# Altium PCB BB.PcbDoc (part 4 of 5) (continued)
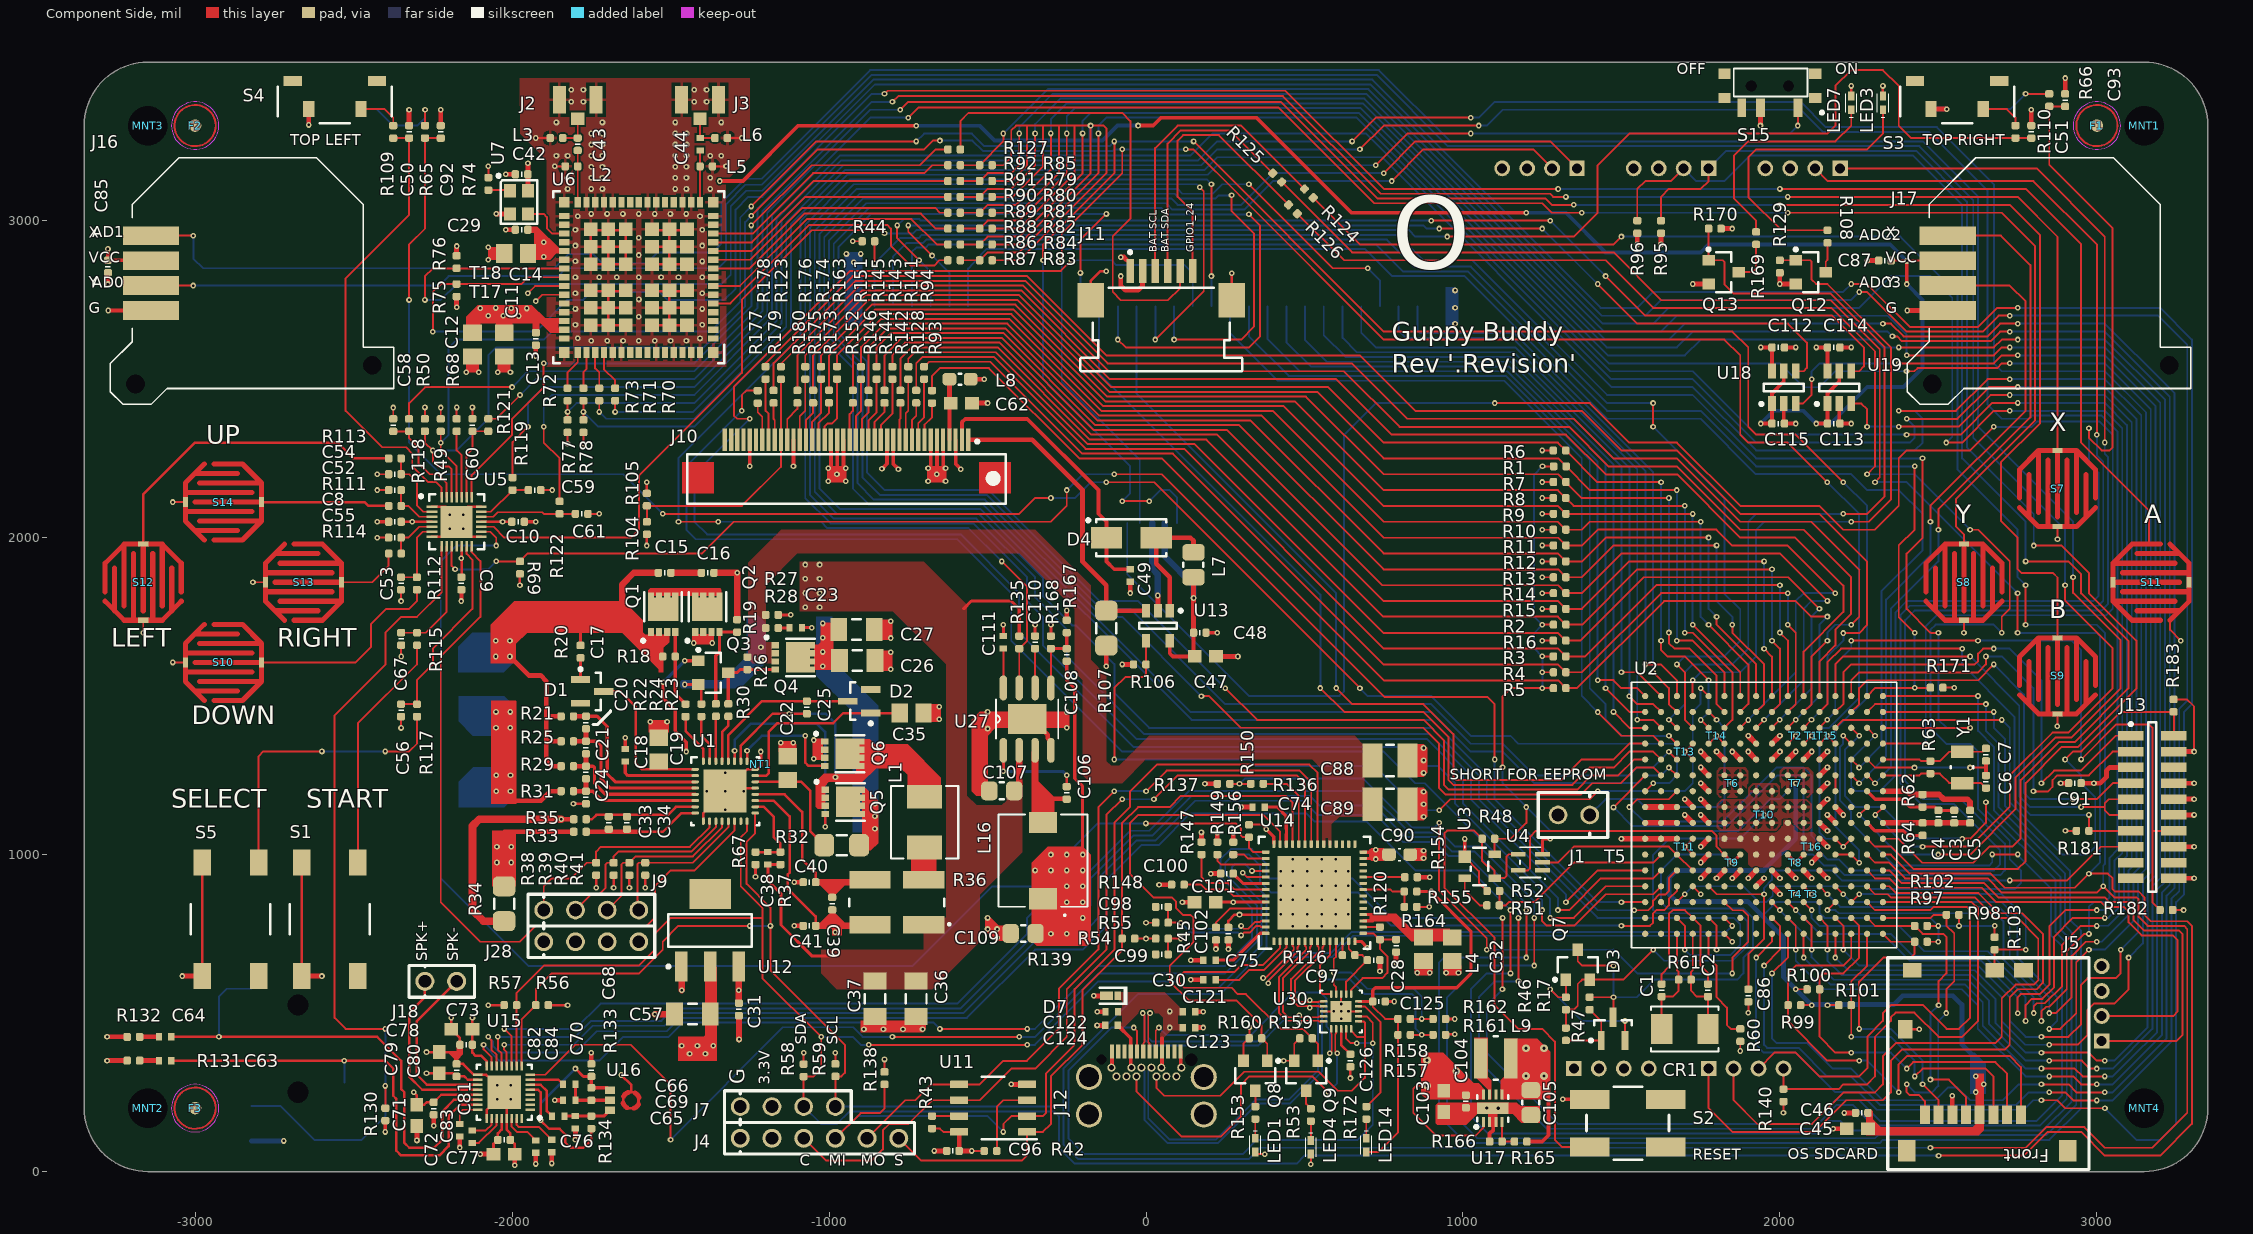
[diagram p0: Component Side view]
## Nets (pads, with @x,y where several pads share a name; then routed paths per layer and width w, separated by ;. In a path a pad name is that pad's centre, name@x,y a point inside that pad or via, vN(x,y) a via of type N, cw(c..) or ccw(c..) an arc to the next point about the centre after c; other vN are vias at no path point) (continued)
  Component Side w8: U15.5@-1942.5,258.04 -1917.78,258.04 -1910,250.26 v1(-1910,161.54) -1883.46,135 -1850.24,135 -1832.28,117.05 -1832.28,92.28 -1815,75 -1775,75 -1750,100 R134.1@-1750,135.63
  Component Side w10: v1(-1800,325) -1775,300 C68.2@-1750,300 R133.1@-1750,264.21 -1699.96,264.21 U16.1@-1691.57,255.83
  Solder Side w8: v1(-1910,161.54) -1910,215 v1(-1800,325)
NetC74_2: C74.2 U14.40 | length 168.1
  Component Side w10: C74.2@375,1150 414.22,1150 442.68,1121.54 442.68,1081.12 442.99,1080.8 442.99,1064.24 442.68,1063.92 U14.40@442.68,1033.15
NetC75_2: C75.2 U14.56 | length 192.8
  Component Side w10: C75.2@220,667.01 275.35,667.01 360,751.65 U14.56@377.72,751.65
NetC81_1: C81.1 U15.27 | length 120.6
  Component Side w6: C81.1@-2125,90.32 -2104.68,90.32 -2048.8,146.2 U15.27@-2048.8,167.48
NetC81_2: C81.2 U15.26 | length 87.3
  Component Side w6: C81.2@-2125,129.68 -2083.21,129.68 -2064.55,148.35 U15.26@-2064.55,167.48
NetC82_2: C82.2 U15.30 | length 120.2
  Component Side w6: U15.30@-2001.56,167.48 -2001.56,141.87 -1984.69,125 -1951.69,125 C82.2@-1925,98.31
NetC83_2: C83.2 U15.24 | length 96.3
  Component Side w6: C83.2@-2165,150 -2165,185 -2154.96,195.04 U15.24@-2107.85,195.04
NetC84_2: C84.2 U15.31 | length 150.6
  Component Side w6: U15.31@-1985.81,167.48 -1985.81,147.34 -1978.46,140 -1915,140 C84.2@-1875,100
NetC100_2: C100.2 U14.48 | length 115.5
  Component Side w10: C100.2@275,940 305.87,909.13 U14.48@377.72,909.13
NetC106_1: C106.1 L16.2 U27.3
NetC106_2: C106.2 U27.1 | length 307.3
  Component Side w8: C106.2@-250.08,1214.37 v1(-250.08,1250)
  Component Side w10: v1(-450,1262.5) U27.1@-450,1329.07
  Solder Side w10: v1(-450,1262.5) -262.58,1262.5 v1(-250.08,1250)
NetC108_1: C108.1 R167.2 R168.1 U27.5 | length 224.1
  Component Side w6: U27.5@-300,1525.93 R168.1@-300,1650
  Component Side w10: R168.1@-300,1650 C108.1@-250,1650 R167.2@-250,1700
NetC110_2: C110.2 U27.6 | length 124.1
  Component Side w6: U27.6@-350,1525.93 C110.2@-350,1650
NetC111_2: C111.2 U27.8 | length 124.1
  Component Side w6: U27.8@-450,1525.93 C111.2@-450,1650
NetC126_2: C126.2 U30.3 | length 92.2
  Component Side w8: U30.3@615.32,449.88 615.32,399.68 C126.2@645,370
NetD1_1: D1.1 R20.2 | length 68.2
  Component Side w10: D1.1@-1784.09,1552.4 R20.2@-1784.09,1620.63
NetD3_1: D3.1 R17.2 R47.1 | length 224.1
  Component Side w6: R47.1@1324.66,413.46 D3.1@1436.4,413.46 1436.4,473.89 R17.2@1399.66,510.63
NetD3_2: D3.2 Q7.1 R46.1 | length 454.7
  Component Side w6: v1(1275,575) 1300,550 R46.1@1324.66,550 1324.66,605.12 Q7.1@1324.86,605.32 ; D3.2@1511.2,413.46 v1(1511.2,475.2)
  Solder Side w6: v1(1275,575) 1374.8,475.2 v1(1511.2,475.2)
NetD4_1: D4.1 L7.2 U13.1 | length 405.6
  Component Side w15: U13.1@74.92,1769.49 74.92,1875 32.4,1917.52 D4.1@32.4,1999.67 140.26,1999.67 149.92,1990 L7.2@149.92,1953.74
NetJ1_1: J1.1 U2.M2 | length 761.9
  Component Side w6: U2.M2@1775,1450.33 v1(1800,1425.33)
  Solder Side w6: J1.1@1400,1125 1450,1175 1550,1175 1574.92,1150.08 1799.53,1150.08 1824.76,1175.31 1824.76,1400.57 v1(1800,1425.33)
NetJ6_27: J6.27 U18.4 | length 3416.3
  Component Side w6: v1(-750.04,2985) -750.04,2965.02 v1(-675.02,2890) ; v1(925,2975) v1(1250,2975) ; v1@1425,2800 1550,2675 2025,2675 2085,2615 2085,2535.31 2074.69,2525 U18.4@2049.69,2525
  Solder Side w6: v1(-750.04,2985) 875,2985 885,2975 v1(925,2975) ; v1(-675.02,2890) -664.94,2879.92 -620.18,2835.16 J6.27@-620.18,2730 ; v1(1250,2975) 1250.2,2975 v1(1425,2800.2)
NetJ6_28: J6.28 U19.4 | length 3631.2
  Component Side w6: v1(-785,2985) -785,2945 v1(-715,2875) ; v1(900,3000) v1(1275,3000) ; v1@1450,2825 1574.8,2700.2 2164.8,2700.2 2265,2600 2265,2540 2250,2525 U19.4@2224.8,2525
  Solder Side w6: v1(-785,2985) -765,3005 -715,3005 -710,3000 v1(900,3000) ; v1(-715,2875) -679.23,2839.23 J6.28@-679.23,2730 ; v1(1275,3000) 1275.2,3000 v1(1450,2825.2)
NetJ14_2: J14.2 J15.1 R31.1 | length 196.1
  Component Side w15: v1(-2005,1200) -2005,1179.82 -1995.18,1170 -1909.06,1170 -1879.06,1200 R31.1@-1845.59,1200
  other v1: -2050,1200 -2050,1250 -2005,1250 -2050.77,1400 -2005.77,1400 -2050.77,1450 -2005.77,1450
NetJ18_1: J18.1 U15.20 | length 555.4
  Component Side w8: J18.1@-2275,600 -2275,550.31 -2325,500.31 -2325,299.69 -2283.35,258.04 U15.20@-2107.85,258.04
NetJ18_2: J18.2 U15.19 | length 552.1
  Component Side w8: J18.2@-2175,600 -2300.31,474.69 -2300.31,305.41 -2268.68,273.78 U15.19@-2107.85,273.78
NetL1_1: L1.1 R36.2
NetL9_1: L9.1 U17.7
NetLED1_2: LED1.2 R153.1 | length 60.6
  Component Side w6: LED1.2@344.76,105 R153.1@344.76,165.63
NetLED3_2: LED3.2 R108.1 | length 949.4
  Component Side w6: R108.1@2150,2969.69 2005.2,2969.69 1900.41,3074.47 1900.41,3200.41 1925,3225 2275,3225 2325,3275 LED3.2@2325,3350
NetLED4_2: LED4.2 R53.1 | length 60.6
  Component Side w6: LED4.2@520,98.31 R53.1@520,158.94
NetLED7_2: LED7.2 R169.1 | length 728.9
  Component Side w6: R169.1@1925,2964.37 1925,3000 1855,3070 1855,3205 1900,3250 2174.9,3250 2225,3300.1 LED7.2@2225,3350
NetLED14_2: LED14.2 R172.1 | length 60.6
  Component Side w6: LED14.2@695,105 R172.1@695,165.63
NetQ1_4: Q1.4 R18.2 R22.1 | length 240.8
  Component Side w10: Q1.4@-1485.16,1701.97 R18.2@-1485.16,1625 -1485.16,1507.15 R22.1@-1452.68,1474.67
NetQ1_5: Q1.5 Q1.6 Q1.7 Q1.8 Q1.TAB Q2.5 Q2.6 Q2.7 Q2.8 Q2.TAB
NetQ2_4: Q2.4 R19.2 R23.1 | length 286.7
  Component Side w10: R23.1@-1357.2,1475.59 -1357.2,1627.17 -1345.39,1638.98 Q2.4@-1345.39,1701.97 R19.2@-1290,1701.97
NetQ3_3: Q3.3 Q4.4 R26.2 R30.2 | length 250.5
  Component Side w10: R30.2@-1317.83,1475.59 Q3.3@-1317.83,1574.02 -1290.28,1574.02 -1280.43,1583.86 Q4.4@-1169.8,1583.86
NetQ8_3: Q8.3 R153.2 | length 50
  Component Side w6: R153.2@345,205 Q8.3@345,255
NetQ9_3: Q9.3 R53.2 | length 61.8
  Component Side w6: Q9.3@505,253.94 505,213.31 R53.2@520,198.31
NetQ12_3: Q12.3 R108.2 | length 95
  Component Side w6: Q12.3@2144.49,2837.6 2144.49,2870.93 2150,2876.44 R108.2@2150,2930.31
NetQ13_3: Q13.3 R169.2 | length 135.6
  Component Side w6: Q13.3@1869.49,2837.6 1912.6,2837.6 1925,2850 R169.2@1925,2925
NetR22_2: R22.2 U1.32 | length 164
  Component Side w8: R22.2@-1452.68,1435.3 -1452.68,1389.57 -1396.57,1333.46 U1.32@-1396.57,1294.49
NetR23_2: R23.2 U1.30 | length 141.7
  Component Side w8: U1.30@-1357.2,1294.49 R23.2@-1357.2,1436.22
NetR24_2: R24.2 U1.31 | length 151.8
  Component Side w8: R24.2@-1402.68,1435.63 -1402.68,1375 -1376.89,1349.21 U1.31@-1376.89,1294.49
NetR42_2: R42.2 U11.3 | length 243.4
  Component Side w6: R42.2@-470.63,64.92 -470.63,203.98 -449.61,225 U11.3@-375,225
NetR43_2: R43.2 U11.7 | length 85.4
  Component Side w6: R43.2@-675,175 U11.7@-589.57,175
NetR45_2: R45.2 U14.52 | length 191.3
  Component Side w6: R45.2@220.63,770 220.63,785.63 265.39,830.39 U14.52@377.72,830.39
NetR48_2: R48.2 S2.2 U3.3 U4.4 | length 1696.1
  Component Side w6: U4.4@1175,1001.18 1145,1001.18 1137.95,994.13 1137.95,932.6 1130.96,925.61 U3.3@1100,925.61 1100,949.41 1085,964.41 1075.14,964.41 1060.63,978.92 1060.63,1038.78 1055.02,1044.39 1055.02,1055.61 1035.22,1075.41 950,1075.41 941.69,1067.11 941.69,895.46 1100,737.15 1100,525 1175.12,449.88 1250.04,449.88 1290,409.92 1290,100 1312.03,77.97 S2.2@1400,77.97
NetR51_1: R51.1 U3.2 | length 127.7
  Component Side w6: U3.2@1005.51,925.61 1005.51,887.9 1053.41,840 R51.1@1075.63,840
NetR60_2: R60.2 U2.M16 | length 358.9
  Component Side w6: U2.M16@1775,750 1775,675 1800,650 1800,550 1832.74,517.26 1832.74,462.36 1845.1,450 R60.2@1875,450
NetR64_1: R64.1 U2.B9 | length 191.7
  Component Side w10: U2.B9@2275,1100 2299.59,1075.41 2389.29,1075.41 2404.19,1060.52 R64.1@2450.39,1060.52
NetR65_2: R65.2 S6.2 | length 308.8
  Component Side w6: R65.2@-2274.69,3300 v1(-2274.69,3350)
  Solder Side w6: S6.2@-2476.38,3351.97 -2426.97,3351.97 -2374.76,3299.76 -2299.92,3299.76 -2274.69,3325 v1(-2274.69,3350)
NetR66_2: R66.2 S16.2 | length 227.8
  Component Side w6: v1(2775,3400) R66.2@2849.67,3400
  Solder Side w6: S16.2@2641.73,3351.97 2726.97,3351.97 v1(2775,3400)
NetR68_2: R68.2 U5.24 | length 214.4
  Component Side w6: R68.2@-2175,2335.63 -2175,2275 -2159.25,2259.25 U5.24@-2159.25,2127.76
NetR74_2: R74.2 U7.1 | length 68.8
  Component Side w6: R74.2@-2075,3096.44 -2009.25,3096.44 U7.1@-2007.09,3094.27
NetR109_2: R109.2 S4.1 | length 137.5
  Component Side w6: S4.1@-2476.38,3351.97 -2401.97,3351.97 -2375,3325 R109.2@-2375,3300
NetR110_2: R110.2 S3.1 | length 137.5
  Component Side w6: S3.1@2641.73,3351.97 2716.14,3351.97 2743.11,3325 R110.2@2743.11,3300
NetR111_2: R111.2 S14.1 | length 406.5
  Component Side w8: S14.1@-2790.83,2112.21 -2464.96,2112.21 -2452.76,2100 R111.2@-2389.37,2100
NetR112_2: R112.2 S10.1 | length 647.5
  Component Side w6: S10.1@-2790,1606.3 -2493.7,1606.3 -2445.35,1654.65 -2445.35,1725.98 -2396.34,1775 -2325,1775 -2300.31,1799.69 R112.2@-2300.32,1835.63
NetR113_2: R113.2 S12.1 | length 1020.1
  Component Side w8: S12.1@-3163.78,1979.25 -3163.78,2136.54 -3000.32,2300 -2550,2300 -2500,2250 R113.2@-2389.37,2250
NetR114_2: R114.2 S13.1 | length 205.8
  Component Side w6: S13.1@-2535,1859.25 -2441.5,1859.25 -2389.37,1911.38 R114.2@-2389.37,1950
NetR116_1: R116.1 U14.12 | length 43.3
  Component Side w6: R116.1@619.84,682.76 U14.12@619.84,726.06
NetR118_2: R118.2 S11.1 | length 7153.4
  Component Side w6: R118.2@-2325,2374.69 -2325,2424.69 -2274.69,2475 v1(-2000,2475) ; v1(-825,3400) -815,3410 440.08,3410 750.08,3100 v1(1300,3099.98) ; v1(2000,3100) 2775,3100 2950,2925 2950,2300 3165,2085 3165,1979.25
  Solder Side w6: v1(-2000,2475) -1950,2525 -1425,2525 -1225.2,2724.8 -1225.2,3039.8 -865,3400 v1(-825,3400) ; v1(1300,3099.98) v1(2000,3100)
NetR119_2: R119.2 S9.1 | length 7234.8
  Component Side w6: R119.2@-1998.6,2189.37 -1998.6,2301.4 v1(-1950,2350) ; v1(-775,3350) -750,3375 424.9,3375 729.9,3070 1260,3070 1280,3050 v1(1350,3049.98) ; v1(1999.67,3050) 2725,3050 2820,2955 2820,2360 2697.23,2237.23 2697.23,2052.77 2750,2000 2750,1900.51 2762.5,1888.01 2861.99,1888.01 2875.79,1874.21 S9.1@2875.79,1683.98
  Solder Side w6: v1(-1950,2350) -1950,2425 -1900,2475 -1425,2475 -1195,2705 -1195,3025 -870,3350 v1(-775,3350) ; v1(1350,3049.98) v1(1999.67,3050)
NetR120_1: R120.1 U14.16 | length 53.1
  Component Side w6: U14.16@684.8,771.34 R120.1@737.95,771.34
NetR121_2: R121.2 S7.1 | length 6415.7
  Component Side w6: R121.2@-2075.06,2375 -2050,2375 v1(-1975,2450) ; v1(-800,3375) -781.69,3393.31 432.17,3393.31 740.47,3085 1274.71,3085 1284.71,3075 v1(1325,3074.98) ; v1(2025,3075) 2100,3075 2749.88,3075 2875.79,2949.09 S7.1@2875.79,2274.53
  Solder Side w6: v1(-1975,2450) -1925,2500 -1425,2500 -1210.2,2714.8 -1210.2,3029.8 -865,3375 v1(-800,3375) ; v1(1325,3074.98) v1(2025,3075)
NetR122_2: R122.2 S8.1 | length 6845
  Component Side w6: v1(-1900,2350) -1900,2300 -1850,2250 R122.2@-1850,2114.37 ; v1(-750,3325) -718.3,3356.7 418.28,3356.7 719.98,3055 1249.66,3055 1279.66,3025 v1(1375,3024.98) ; v1(2025,3024.98) 2700.02,3024.98 2805,2920 2805,2369.89 2555.51,2120.4 2555.51,2035.63 2580.51,2010.63 S8.1@2580.51,1979.25
  Solder Side w6: v1(-1900,2350) -1900,2425 -1875,2450 -1425,2450 -1180.2,2694.8 -1180.2,3014.8 -870,3325 v1(-750,3325) ; v1(1375,3024.98) v1(2025,3024.98)
NetR136_2: R136.2 U14.38 | length 279.8
  Component Side w6: R136.2@369.96,1223.27 443.78,1223.27 482.05,1185 U14.38@482.05,1033.15
NetR147_2: R147.2 U14.49 | length 289.7
  Component Side w6: R147.2@175,1000.21 175,930.1 195.1,910 260,910 280.55,889.45 U14.49@377.72,889.45
NetR148_2: R148.2 U14.50 | length 272.4
  Component Side w6: R148.2@120,905.1 174.04,905.1 188.8,890.34 254.67,890.34 275.24,869.76 U14.50@377.72,869.76
NetR149_2: R149.2 U14.45 | length 177.8
  Component Side w6: R149.2@225,1000.21 225,980 236.81,968.19 U14.45@377.72,968.19
NetR155_1: R155.1 R164.1 U14.22 | length 181.2
  Component Side w6: U14.22@684.8,889.45 771.42,889.45 777.32,883.54 R155.1@815,883.54 R164.1@815,835
NetR156_2: R156.2 U14.44 | length 107.5
  Component Side w6: R156.2@275.35,1000.21 309.35,1000.21 321.69,987.87 U14.44@377.72,987.87
NetR165_2: R165.2 R166.1 U17.4 | length 100.6
  Component Side w6: U17.4@1123.42,156.3 R166.1@1123.43,94.61 R165.2@1162.29,94.61
NetT1_1: T1.1 U2.F4 | length 35.4
  Component Side w6: U2.F4@2075,1350 T1.1@2100,1375
NetT2_1: T2.1 U2.G4 | length 35.4
  Component Side w6: U2.G4@2025,1350 T2.1@2050,1375
NetT3_1: T3.1 U2.F13 | length 35.4
  Component Side w6: U2.F13@2075,900 T3.1@2100,875
NetT4_1: T4.1 U2.G13 | length 35.4
  Component Side w6: U2.G13@2025,900 T4.1@2050,875
NetT11_1: T11.1 U2.N10 U2.N11 | length 70.7
  Component Side w6: U2.N11@1725,1000 T11.1@1700,1025 U2.N10@1725,1050
NetT13_1: T13.1 U2.N4 U2.N5 | length 70.7
  Component Side w6: U2.N5@1725,1300 T13.1@1700,1325 U2.N4@1725,1350
NetT14_1: T14.1 U2.L4 U2.M4 | length 70.7
  Component Side w6: U2.M4@1775,1350 T14.1@1800,1375 U2.L4@1825,1350
NetT15_1: T15.1 U2.D4 U2.E4 | length 70.7
  Component Side w6: U2.E4@2125,1350 T15.1@2150,1375 U2.D4@2175,1350
NetT17_1: T17.1 U6.43 | length 98
  Component Side w6: T17.1@-1925,2746.44 -1905.12,2766.32 U6.43@-1835.24,2766.32
NetT18_1: T18.1 U6.42 | length 124.1
  Component Side w6: T18.1@-1950,2771.44 -1927.56,2793.88 U6.42@-1835.24,2793.88
NetU2_D6: U2.D6 U2.D7 | length 50.2
  Component Side w6: U2.D7@2175.24,1200 U2.D6@2175.24,1250.24
NetU2_N12: U2.N12 U2.P11 U4.2 | length 525.5
  Component Side w6: U4.2@1251,975.59 1300.22,975.59 1349.63,1025 1650,1025 U2.P11@1675,1000 U2.N12@1725,950
NetU2_P8: U2.P8 U2.R8 U2.T8 | length 100
  Component Side w18: U2.T8@1575,1150 U2.R8@1625,1150 U2.P8@1675,1150
NetU2_P9: U2.P9 U2.R9 U2.T9 | length 100
  Component Side w18: U2.T9@1575,1100 U2.R9@1625,1100 U2.P9@1675,1100
NetU6_36: U6.36 U7.3 | length 161
  Component Side w6: U7.3@-1950,3021.44 -1900,3021.44 -1890,3011.44 -1890,2976.44 -1872.8,2959.23 U6.36@-1835.24,2959.23
PH: C25.1 L1.2 Q5.1 Q5.2 Q5.3 Q6.5 Q6.6 Q6.7 Q6.8 Q6.TAB U1.26 | length 626.8
  Component Side w8: U1.26@-1278.46,1294.49 -1278.46,1343.7 -1177.6,1444.57 v1(-1125,1444.57) C25.1@-1069.8,1444.57
  Solder Side w8: v1(-1125,1444.57) -1011.22,1444.57 -979.8,1413.15 v1(-979.8,1244.25)
PWR_ON: R135.1 S15.1 U27.7 | length 5949.9
  Component Side w6: v1(-1475,2050) v1(-1350,2050) ; v1(-455,1925) -375,1845 -375,1675 R135.1@-400,1650 -400,1600 U27.7@-400,1525.93 ; v1(725,3175) 825,3275 v1(1025,3275) ; v1(2056.5,3300) S15.1@2056.5,3356.7
  Solder Side w6: v1(-1475,2050) -1475,2250 -1090.2,2634.8 -1090.2,2997.53 -942.73,3145 195,3145 225,3175 v1(725,3175) ; v1(-1350,2050) -1025,2050 -1005,2030 -605,2030 -560,2030 v1(-455,1925) ; v1(1025,3275) 1698.63,3275 2031.5,3275 v1(2056.5,3300)
R_DISPLAY_ON: J10.31 R104.2 R105.1 R123.2 | length 801.9
  Component Side w6: R104.2@-1574.67,2050 -1574.67,2099.67 R105.1@-1575,2100 -1275,2100 -1151.57,2223.43 J10.31@-1151.57,2309.06 -1151.57,2498.43 R123.2@-1150,2500
R_LCD_DATA0: J10.8 R93.2 | length 125.5
  Component Side w6: J10.8@-698.82,2309.06 -698.82,2356.5 -675,2380.31 R93.2@-675,2424.67
R_LCD_DATA1: J10.9 R94.2 | length 198.6
  Component Side w6: J10.9@-718.5,2309.06 -718.5,2361.5 -700,2380 R94.2@-700,2500
R_LCD_DATA2: J10.10 R128.2 | length 121.4
  Component Side w6: J10.10@-738.19,2309.06 -738.19,2371.81 -725,2385 R128.2@-725,2425
R_LCD_DATA3: J10.11 R141.2 | length 194.2
  Component Side w6: J10.11@-757.87,2309.06 -757.87,2391.93 -750,2399.8 R141.2@-750,2500
R_LCD_DATA4: J10.12 R142.2 | length 117
  Component Side w6: J10.12@-777.56,2309.06 -777.56,2372.76 -775,2375.31 R142.2@-775,2425
R_LCD_DATA5: J10.15 R143.2 | length 206
  Component Side w6: J10.15@-836.61,2309.06 -836.61,2355 -800.24,2391.38 R143.2@-800.24,2500
R_LCD_DATA6: J10.16 R144.2 | length 128.9
  Component Side w6: J10.16@-856.3,2309.06 -856.3,2365.31 -825,2396.61 R144.2@-825,2425
R_LCD_DATA7: J10.17 R145.2 | length 201.7
  Component Side w6: J10.17@-875.98,2309.06 -875.98,2369.02 -850,2395 R145.2@-850,2500
R_LCD_DATA8: J10.18 R146.2 | length 124.5
  Component Side w6: J10.18@-895.67,2309.06 -895.67,2374.33 -875,2395 R146.2@-875,2425
R_LCD_DATA9: J10.19 R151.2 | length 197.7
  Component Side w6: J10.19@-915.35,2309.06 -915.35,2383.46 -899.13,2399.69 R151.2@-899.13,2500
R_LCD_DATA10: J10.20 R152.2 | length 120.1
  Component Side w6: J10.20@-935.04,2309.06 -935.04,2389.96 -925,2400 R152.2@-925,2425
R_LCD_DATA11: J10.24 R163.2 | length 216
  Component Side w6: J10.24@-1013.78,2309.06 -1013.78,2351.34 -1004.8,2360.31 -990,2360.31 -975,2375.31 R163.2@-975,2500.33
R_LCD_DATA12: J10.25 R173.2 | length 130.1
  Component Side w6: J10.25@-1033.46,2309.06 -1033.46,2360.55 -1000,2394.02 R173.2@-1000,2425.33
R_LCD_DATA13: J10.26 R174.2 | length 202.9
  Component Side w6: J10.26@-1053.15,2309.06 -1053.15,2365.39 -1025,2393.54 R174.2@-1025,2500.33
R_LCD_DATA14: J10.27 R175.2 | length 125.7
  Component Side w6: J10.27@-1072.83,2309.06 -1072.83,2370.59 -1050,2393.43 R175.2@-1050,2425.33
R_LCD_DATA15: J10.28 R176.2 | length 198.5
  Component Side w6: J10.28@-1092.52,2309.06 -1092.52,2382.48 -1075,2400 R176.2@-1075,2500.33
R_LCD_ENABLE: J10.34 R177.2 | length 121.6
  Component Side w6: R177.2@-1225,2424.67 -1225,2395 -1210.63,2380.63 J10.34@-1210.63,2309.06
R_LCD_HSYNC: J10.32 R179.2 | length 117.5
  Component Side w6: R179.2@-1175,2425 -1175,2374.69 -1171.26,2370.94 J10.32@-1171.26,2309.06
R_LCD_PCLK: J10.30 R180.2 | length 129.2
  Component Side w6: J10.30@-1131.89,2309.06 -1131.89,2374.09 -1100,2405.98 R180.2@-1100,2425
R_LCD_VSYNC: J10.33 R178.2 | length 194.7
  Component Side w6: R178.2@-1200,2500 -1200,2399.96 -1190.94,2390.91 J10.33@-1190.94,2309.06
RF_ANT1: C43.2 L2.2 U6.32 | length 162.8
  Component Side w6: U6.32@-1792.91,3058.64 L2.2@-1792.91,3171.44 C43.2@-1792.91,3221.44
RF_ANT2: C44.2 L5.2 U6.18 | length 162.8
  Component Side w6: U6.18@-1407.09,3058.64 L5.2@-1407.09,3171.44 C44.2@-1407.09,3221.44
S_SBU_N: R158.2 R162.1 U14.11 U30.14 | length 623
  Component Side w6: U30.14@599.57,560.12 599.57,581.77 592.28,589.06 v1(592.28,627.64) 592.28,670.94 599.55,678.21 599.55,725.45 U14.11@600.16,726.06 ; R158.2@834.37,481.38 v1(870,481.38) R162.1@905.63,481.38
  Solder Side w6: v1(592.28,627.64) 647.36,627.64 698.35,576.65 845.16,576.65 870,551.81 v1(870,481.38)
S_SBU_P: R157.2 R161.1 U14.10 U30.15 | length 741.1
  Component Side w6: U14.10@580.47,726.06 580.47,682.76 548.98,651.26 v1(548.98,627.64) 548.98,568.58 557.44,560.12 U30.15@583.82,560.12 ; R157.2@834.37,431.38 v1(870,431.38) R161.1@905.63,431.38
  Solder Side w6: v1(548.98,627.64) 548.98,626.12 569.78,605.32 645,605.32 690.32,560 840,560 850,550 850,451.38 v1(870,431.38)
SBU_N: J12.B8 U30.2 | length 1084.4
  Component Side w5: U30.2@599.57,449.88 599.57,435.57 597.19,433.2 597.19,379.5 v1(603.19,373.5)
  Component Side w6: J12.B8@-30.39,300.08 -30.39,253.43 113.04,110 235.75,110 300,174.25 300,274.37 325.63,300 525.16,300 v1(575,250.16)
  Solder Side w6: v1(575,250.16) 603.19,278.35 v1@603.19,373.6
SBU_P: J12.A8 U30.1 | length 937.5
  Component Side w5: v1(580.19,373.5) 586.19,379.5 586.19,433.2 583.82,435.57 U30.1@583.82,449.88
  Component Side w6: J12.A8@30.63,379.21 30.63,443.9 v1(40.94,454.21)
  Solder Side w6: v1(40.94,454.21) 64.69,430.46 330.79,430.46 465.32,565 549.78,565 570,544.78 570,456.69 580.19,446.5 v1@580.19,373.6
SELECT: R117.2 S5.1 | length 936.9
  Component Side w6: S5.1@-2800,975 -2800,1310 -2784.67,1325.33 v1(-2600,1325.33) ; v1(-2400,1325.33) -2324.67,1325.33 -2300,1350 R117.2@-2300,1435.3
  Solder Side w6: v1(-2600,1325.33) v1(-2400,1325.33)
SPI0_CS0: J24.4 R140.2 U2.A14 | length 1574.6
  Component Side w6: J24.4@2011.22,325 R140.2@2011.22,260 2185,260 2200,275 2274.92,275 2300,300.08 2300,425.2 2350,475.2 2350,486.65 2365,501.65 2424.02,501.65 2500.67,425 2575,425 2625,475 2625,830 2605,850 U2.A14@2325,850
SPI0_MISO: J24.2 U2.B13 | length 2143
  Component Side w6: J24.2@1853.74,325 1853.74,225 1928.74,150 2100.63,150 2200.63,250 2300,250 2325,275 2325,364.37 2365.63,405 2679.8,405 2700,425.2 2700,546.65 2743.35,590 2800.75,590 2815,604.25 2815,734.8 2749.69,800.12 2679.88,800.12 2615,865 2350,865 2340,875 2300,875 U2.B13@2275,900
SPI0_MOSI: J24.3 U2.B14 | length 1615.3
  Component Side w6: J24.3@1932.48,325 1982.48,375 2049.49,375 2124.41,300.08 2250.08,300.08 2275.98,325.98 2275.98,425.98 2325,475 2325,500 2350.59,525.59 2450.39,525.59 2525.98,450 2565,450 2600,485 2600,825 2590,835 2485,835 2475,825 2300,825 U2.B14@2275,850
SPI0_SCLK: J24.1 U2.A13 | length 2274.1
  Component Side w6: J24.1@1775,325 1775,200 1850,125 2110,125 2210,225 2325,225 2350,250 2350,350 2385,385 2710,385 2725,400 2725,550 2750,575 2810,575 2830,595 2830,749.55 2764.55,815 2690,815 2626.54,878.46 2366.54,878.46 2345,900 U2.A13@2325,900
SPI1_CS0: J6.29 R171.2 U2.B1 | length 4585.6
  Component Side w6: U2.B1@2275,1500 2300.93,1525.93 v1(2425,1525.93) R171.2@2475,1525.93 ; v1@2424.57,1700 2375,1749.57 2375,1975.43 2425,2025.43 v1(2425,2225)
  Solder Side w6: J6.29@-738.29,2730 -738.29,2901.67 -724.96,2915 -695,2915 -685,2925 725,2925 810,2840 1015,2840 1455,2400 1750,2400 1775,2375 1925,2225 v1(2425,2225) ; v1(2425,1525.93) v1(2425,1700)
SPI1_MISO: U2.F14 U19.3 | length 3996.2
  Component Side w6: U2.F14@2075,850 v1(2100,825) ; U19.3@2224.8,2422.64 2257.36,2422.64 2275,2405 v1(2275,2350) ; v1(2375,2350) 2565,2350 2665,2450 v1(2725,2450) ; v1(2800.75,500) 2800.75,521.18 2810.57,531 2836,531 2890,585 2890,715.12 2949.88,775 v1(3000,775)
  Solder Side w6: v1(2100,825) 2100,799.86 2124.74,775.12 2374.88,775.12 2455,695 2655.08,695 2800.37,549.7 v1@2800.37,499.63 ; v1(2275,2350) v1(2375,2350) ; v1(2725,2450) 3024.67,2450 3110,2364.67 3110,985 3085,960 3085,825 3035.41,775.41 v1@3000,775.41
SPI1_MOSI: U2.E15 U18.3 | length 4651.7
  Component Side w6: U18.3@2049.69,2422.64 2072.3,2422.64 2100,2450.33 v1(2100,2500) ; U2.E15@2125,800 2150,775 v1(2150,700) ; v1(2375,2550) 2675.02,2550 2700.02,2575 v1(2750,2575) ; v1(2825,375.1) 2974.9,375.1 3000,350 v1(3025,350)
  Solder Side w6: v1(2100,2500) 2100,2525 2125,2550 v1(2375,2550) ; v1(2150,700) 2150,665 2194.53,620.47 2604.23,620.47 2680,544.7 2680,470 2774.9,375.1 v1(2825,375.1) ; v1(2750,2575) 3024.67,2575 3185,2414.67 3185,935 3160,910 3160,455 3055,350 v1(3025,350)
SPI1_SCLK: J6.26 U2.C5 | length 4421.4
  Component Side w6: U2.C5@2224.67,1300 v1@2249.67,1275
  Solder Side w6: J6.26@-561.12,2730 -561.12,2848.78 -513.94,2900 -503.94,2910 115,2910 691.56,2910 726.56,2875 776.55,2825 1005,2825 1455,2375 1749.76,2375 1924.43,2200.33 2224.67,2200.33 2275,2150 2375.63,2150 2450,2075.63 2450,1960.33 2320,1830.33 2320,1345 v1(2249.67,1274.67)
SPI_CLK: J4.3 U11.6 U14.37 | length 2687.5
  Component Side w6: J4.3@-1080,105 -1010,35 -865,35 -830,70 -830,130.79 -810.79,150 -749.81,150 -674.81,225 U11.6@-589.57,225 -525,225 -425,325 -350,325 -250,425 -250,575 -124.76,700.24 -124.76,1125 v1(-75.08,1174.69) ; v1(25,1174.69) 100.31,1250 475,1250 501.73,1223.27 U14.37@501.73,1033.15
  Solder Side w6: v1(-75.08,1174.69) v1(25,1174.69)
SPI_CS_N: J4.6 R139.2 U11.1 U14.39 | length 2355.2
  Component Side w6: J4.6@-780,105 -710,35 -390.79,35 -375,50.79 U11.1@-375,125 -325,125 -300.08,149.92 -300.08,299.92 -200,400 -200,573.19 -75.21,697.98 R139.2@-75.21,735 -75.21,1099.79 -25,1150 75.31,1150 110.31,1185 441,1185 462.36,1163.64 U14.39@462.36,1033.15
SPI_MISO: J4.4 R138.2 U11.2 U14.35 | length 3010.2
  Component Side w6: J4.4@-980,105 -900.71,184.29 -839.9,184.29 -825,199.19 R138.2@-825,275 ; v1(-450,125) -450,150 -425,175 U11.2@-375,175 -325,175 -315,185 -315,309.68 -225,399.68 -225,575.39 -100,700.39 -100,1101 -50.08,1150.93 -50.08,1199.29 34.55,1283.92 515.75,1283.92 541.1,1258.56 541.1,1119.76 U14.35@541.1,1033.15
  Solder Side w6: J4.4@-980,105 -910,175 -500,175 v1(-450,125)
SPI_MOSI: J4.5 U11.5 U14.36 | length 2429.3
  Component Side w6: J4.5@-880,105 -760.16,224.84 -727.69,224.84 -677.54,275 U11.5@-589.57,275 -525,275 -450.79,349.21 -375.79,349.21 -275,450 -275,576.17 -150.08,701.1 -150.08,1150 v1(-100.08,1200) ; v1(0.12,1200) 65.12,1265 485,1265 521.42,1228.58 U14.36@521.42,1033.15
  Solder Side w6: v1(-100.08,1200) v1(0.12,1200)
SS_AM: Q8.1 R160.1 U14.41 | length 1672.7
  Component Side w6: Q8.1@382.4,349.49 382.4,402.72 R160.1@364.68,420.43 364.68,460.41 285.1,540 134.25,540 75,599.25 75,650 150,725 150,800 140,810 116.34,810 95,831.34 95,851.65 81.65,865 22.8,865 -50.08,937.88 -50.08,1099.92 -25,1125 370,1125 422.99,1072.01 U14.41@422.99,1033.15
SS_EN: U14.19
SS_POL: Q9.1 R159.1 U14.2 | length 965.9
  Component Side w6: U14.2@422.99,726.06 422.99,706.38 367.95,651.34 301.02,651.34 279.78,630.1 120,630.1 105,615.1 105,595 120,580 270,580 289.88,560.12 314.98,560.12 425.22,449.88 495.24,449.88 R159.1@524.68,420.43 542.4,402.72 Q9.1@542.4,349.49
START: R115.2 S1.1 | length 762.8
  Component Side w6: S1.1@-2486.42,975 -2486.42,1413.9 -2300,1600.31 R115.2@-2300,1660.63
SYS_ADC_1P8V: C5.2 R62.2 U2.A7 | length 315.7
  Component Side w18: U2.A7@2325,1200 2402.24,1200 2412.87,1189.37 R62.2@2450,1189.37 2501.94,1189.37 2516.89,1174.41 2591.37,1174.41 2600,1165.79 C5.2@2600,1139.26
SYS_RESET_N: C86.2 J13.15 U2.M13 | length 1774.3
  Component Side w6: U2.M13@1775,900 1800,875 1950,875 1950,734.98 1900.41,685.39 C86.2@1900.41,575 ; v1(2725,918.48) 2905.88,918.48 3012.07,1024.67 J13.15@3107.09,1024.67
  Solder Side w6: v1(1950,875.1) 1950,895.2 1975,920.2 1975,939.74 1985.26,950 2163.5,950 2195.03,918.48 v1(2725,918.48)
SYS_RTC_1P8V: D3.3 Q7.3 R17.1 T9.1 U2.K11 U2.L11 U4.5 | length 2573.3
  Component Side w6: U4.5@1175,950 1205,950 1212.15,957.15 1212.15,1057 1230.15,1075 1785,1075 1800,1060 1800,1025 U2.L11@1825,1000 ; Q7.3@1362.26,699.8 1362.26,664 1376.26,650 v1(1475,650) ; R17.1@1399.66,550 v1(1475,550) 1475,487.5 D3.3@1473.8,486.3
  Component Side w10: U2.L11@1825,1000 T9.1@1850,975 U2.K11@1875,1000
  Solder Side w6: v1@1473.8,550 v1(1475,550) ; v1(1475,650) v1(1475,550) ; T9.1@1850,975 1824.45,1000.55 1675.55,1000.55 1625,950 1625,850 1645,830 1885,830 1915,800 1915,705 1885,675 1885,625 1865.32,605.32 1603.5,605.32 1548.19,550 v1(1475,550)
SYS_VDD1_3P3V: C45.2 C46.2 J5.4 R1.1 R2.1 R3.1 R4.1 R5.1 R48.1 R97.1 R98.1 R99.1 R100.1 R101.1 R102.1 R103.1 T7.1 U2.F6 U2.F7 U2.G6 U2.G7 U3.4 | length 5723.3
  Component Side w6: U3.4@1100,1000.41 R48.1@1100,1050 1150,1050 1200.04,1100.04 v1(1200.04,1150.04) ; v1(1125,1275.33) 1125,1499.67 1150.33,1525 v1(1250.43,1525) R5.1@1285.63,1525 ; v1(1250,1625.33) R3.1@1285.2,1625.33 ; v1(1250.43,1575.15) R4.1@1285.63,1575.15 ; v1(1250.43,1725.32) R2.1@1285.63,1725.32 ; v1(1250.91,2225) R1.1@1286.1,2225 ; v1(2050.1,575) R100.1@2085.63,575 ; R99.1@2064.47,525.08 v1(2100,525.08) ; v1(2150.1,525.08) R101.1@2185.63,525.08 ; R97.1@2464.37,725 v1(2499.9,725) ; R102.1@2464.37,775 v1(2499.9,775) ; v1(2565,774.98) R98.1@2565,810 ; R103.1@2677.56,739.37 v1(2677.56,775.12)
  Solder Side w6: v1(1125,1275.33) 1125,1225.08 1275.08,1075 1868.94,1075 1968.94,1175 2000,1175 T7.1@2050,1225 ; v1(1250.43,1525) v1(1250.43,1575.15) 1250.43,1624.45 1224.21,1650.67 1224.21,1699.1 v1(1250.43,1725.32) 1224.7,1751.05 1224.7,2198.8 v1(1250.91,2225) ; 1944.02,805.98 1988.23,850.2 2113.98,850.2 2124.67,839.51 2124.67,816.59 2141.06,800.2 2474.7,800.2 v1(2499.9,775) ; v1(2499.9,725) v1(2499.9,775) ; v1(2677.56,775.12) 2500.02,775.12 v1(2499.9,775)
  Solder Side w15: T7.1@2050,1225 2050,1050.33 1949.67,950 1675,950 1650,925 1650,875 1672.76,852.24 1897.76,852.24 2011.22,738.78 2011.22,613.88 v1(2050.1,575) 2098.38,526.72 2358.5,526.72 2386.79,555 2545.89,555 2574.17,526.72 2574.17,401.13 2617.87,357.43
  other v1: 2617.87,250.67 2642.87,275 2617.87,300.2
SYS_VDD2_3P3V: T8.1 U2.F11 U2.G11 | length 70.7
  Component Side w10: U2.G11@2025,1000 T8.1@2050,975 U2.F11@2075,1000